# Altium PCB board.PcbDoc (part 2 of 2)
Units mil, origin at the board's own origin, x right, y up, seen from the top; angles counter-clockwise.
Board outline 1425.03 x 7725.03 mil, 2 copper layers (Top Layer, Bottom Layer), stack 65.354 mil thick; 141 components, 67 nets, 462 pads, 171 vias.
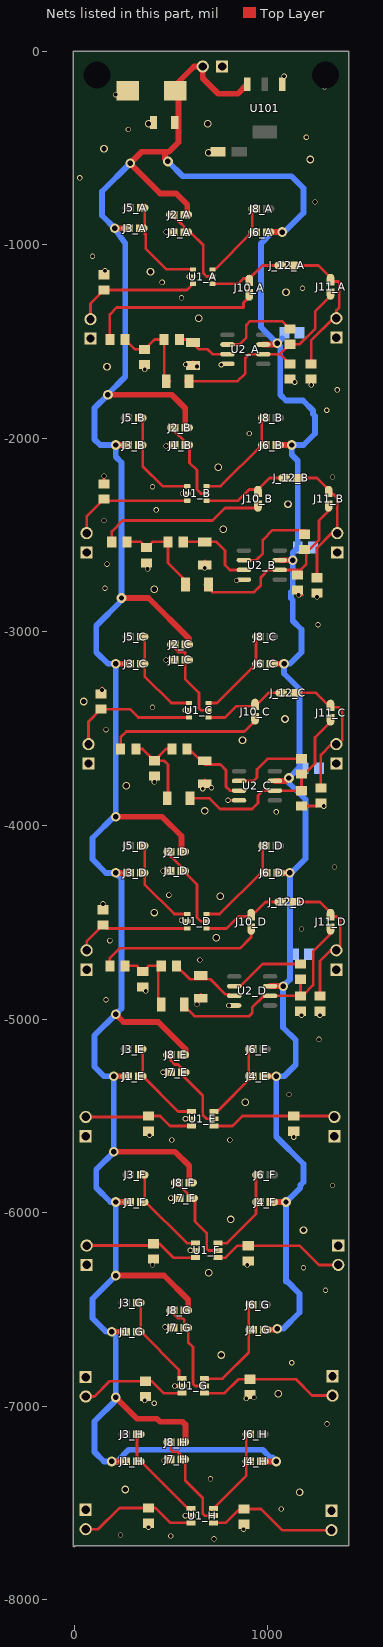
[diagram p2: the nets of this part, all layers, seen from the top]

## Via types
v1: diameter 27.56, hole 19.68, Top Layer to Bottom Layer, 95 vias
v2: diameter 50, hole 28, Top Layer to Bottom Layer, 47 vias
v3: diameter 39.37, hole 27.56, Top Layer to Bottom Layer, 29 vias

## Nets (pads, with @x,y where several pads share a name; then routed paths per layer and width w, separated by ;. In a path a pad name is that pad's centre, name@x,y a point inside that pad or via, vN(x,y) a via of type N, cw(c..) or ccw(c..) an arc to the next point about the centre after c; other vN are vias at no path point) (continued)
+5V: C3_A.2 C3_B.2 C3_C.2 C3_D.2 C100.1 C101.2 J1_E.2 J1_F.2 J1_G.2 J1_H.2 J2_A.1 J2_B.1 J2_C.1 J2_D.1 J3_A.2 J3_B.2 J3_C.2 J3_D.2 J4_E.2 J4_F.2 J4_G.2 J4_H.2 J6_A.2 J6_B.2 J6_C.2 J6_D.2 J8_E.1 J8_F.1 J8_G.1 J8_H.1 J100.2 U2_A.7 U2_B.7 U2_C.7 U2_D.7 U101.3 | length 22565.3
  Top Layer w30: v2(175,-1775.02) 505,-1775.02 574.37,-1844.39 J2_B.1@574.37,-1945.02 ; v2(195,-7285.02) J1_H.2@250,-7285.02 J1_H.2@270,-7285.02 ; v2(195,-6615.02) J1_G.2@250,-6615.02 ; v2(205,-5685.02) 521.93,-5685.02 595,-5758.09 J8_F.1@595,-5845.02 ; v2(205,-5295.02) J1_E.2@260,-5295.02 J1_E.2@280,-5295.02 ; v2(210,-915.02) J3_A.2@265,-915.02 ; v2(215,-6954.39) 325.63,-7065.02 428.55,-7065.02 443.55,-7080.02 560,-7080.02 575,-7095.02 J8_H.1@575,-7185.02 ; v2(215,-6325.02) 465,-6325.02 590,-6450.02 J8_G.1@590,-6505.02 ; v2(215,-5945.02) J1_F.2@270,-5945.02 J1_F.2@290,-5945.02 ; v2(215,-4975.02) 254.99,-5015 435,-5015 575,-5155 J8_E.1@575,-5185.02 ; v2(215,-4245.02) J3_D.2@270,-4245.02 ; v2(215,-3955.02) 455,-3955.02 555,-4055.02 J2_D.1@555,-4135.02 ; v2(215,-3165.02) J3_C.2@270,-3165.02 J3_C.2@290,-3165.02 ; v2(215,-2035.02) J3_B.2@260,-2035.02 ; v2(245,-2825.02) 384.45,-2825.02 595,-3035.57 J2_C.1@595,-3065.02 ; v2(485,-570.02) 470,-555.02 470,-520.02 ; J2_A.1@585,-845.02 585,-793.09 526.93,-735.02 443.82,-735.02 290,-581.2 v2(290,-580.02) 350,-520.02 470,-520.02 ; U101.3@894.45,-171.98 846.42,-220.02 745,-220.02 665,-140.02 J100.2@665,-80.02 620,-80.02 485,-215.02 540,-215.02 540,-470.64 490.63,-520.02 470,-520.02 ; U2_A.7@977.52,-1515.64 1044.37,-1515.64 v2(1050,-1510.02) ; J4_G.2@980,-6605.02 J4_G.2@1000,-6605.02 1045,-6605.02 v2(1050,-6600.02) ; J4_H.2@985,-7285.02 v2(1045,-7285.02) ; J6_A.2@995,-935.02 J6_A.2@1015,-935.02 v2(1075,-935.02) ; J4_E.2@997.52,-5295.02 v2(1045,-5295.02) ; U2_D.7@1012.52,-4830.02 v2(1080,-4830.02) ; J6_C.2@1015,-3165.02 J6_C.2@1035,-3165.02 v2(1085,-3165.02) ; J4_F.2@1035,-5945.02 v2(1095,-5945.02) ; U2_C.7@1037.52,-3770.02 1095,-3770.02 v2(1110,-3755.02) ; U2_B.7@1062.52,-2630.02 v2(1130,-2630.02) ; J6_B.2@1065,-2035.02 v2(1125,-2035.02) ; J6_D.2@1070,-4245.02 v2(1115,-4245.02)
  Bottom Layer w30: v2@173.48,-1773.5 265,-1681.98 265,-995.02 v2(210,-915.02) 145,-850.02 145,-725.02 v2(290,-580.02) ; v2(175,-1775.02) 105,-1845.02 105,-2005.02 135,-2035.02 v2(215,-2035.02) 215,-2095.02 245,-2125.02 v2(245,-2825.02) 245,-2838.45 115,-2968.45 115,-3105.02 175,-3165.02 v2(215,-3165.02) v2@215,-3945.02 ; v2@210,-3950.02 95,-4065.02 95,-4175.02 165,-4245.02 v2(215,-4245.02) 245,-4275.02 245,-4945.02 v2(215,-4975.02) 105,-5085.02 105,-5245.02 155,-5295.02 v2(205,-5295.02) v2(205,-5685.02) 205,-5687.74 115,-5777.74 115,-5871.58 188.43,-5945.02 v2(215,-5945.02) v2(215,-6325.02) 95,-6445.02 95,-6545.02 165,-6615.02 v2(195,-6615.02) 215,-6635.02 v2(215,-6954.39) 215,-6968.45 105,-7078.45 105,-7235.02 155,-7285.02 v2(195,-7285.02) 221.57,-7285.02 281.57,-7225.02 975,-7225.02 985,-7235.02 985,-7235.73 1014.29,-7265.02 1025,-7265.02 v2(1045,-7285.02) ; v2(485,-570.02) 561.72,-646.73 1123.28,-646.73 1185,-708.45 1185,-835.73 1085.71,-935.02 v2(1075,-935.02) 1025,-935.02 965,-995.02 965,-1425.02 v2(1050,-1510.02) ; v2(1050,-6600.02) 1080.71,-6600.02 1165,-6515.73 1165,-6418.45 1101.57,-6355.02 1095,-6355.02 v2(1095,-5945.02) 1115,-5925.02 1115.71,-5925.02 1168.64,-5872.09 1168.64,-5858.65 1185,-5842.29 1185,-5748.45 1045,-5608.45 v2(1045,-5295.02) 1085.63,-5295.02 1145,-5235.64 1145,-5108.45 1080,-5043.45 v2(1080,-4830.02) 1115,-4795.02 v2(1115,-4245.02) 1121.57,-4245.02 1195,-4171.58 1195,-3865.64 1110,-3780.64 v2(1110,-3755.02) 1160,-3705.02 1165,-3705.02 1165,-3295.02 1085,-3215.02 v2(1085,-3165.02) 1115,-3165.02 1175,-3105.02 1175,-2987.74 1130,-2942.74 1130,-2834.86 1121.22,-2826.08 1121.22,-2793.95 1130,-2785.17 1130,-2590.64 C3_B.2@1155.63,-2565.02 1155.63,-2115.64 1125,-2085.02 v2(1125,-2035.02) 1185,-2035.02 1245,-1975.02 1245,-1885.02 1235,-1875.02 1235,-1857.74 1182.28,-1805.02 1095,-1805.02 1065,-1775.02 1065,-1525.02 v2(1050,-1510.02) ; C3_A.2@1075,-1485.02 v2(1050,-1510.02)
GND: C2_A.1 C2_B.1 C2_C.1 C2_D.1 C3_A.1 C3_B.1 C3_C.1 C3_D.1 C100.2 C101.1 C104.2 J1_A.2 J1_B.2 J1_C.2 J1_D.2 J7_E.2 J7_F.2 J7_G.2 J7_H.2 J100.1 J_A1.1 J_A2.1 J_A3.1 J_A4.1 J_A5.1 J_A6.1 J_A7.1 J_A8.1 J_B1.1 J_B2.1 J_B3.1 J_B4.1 J_B5.1 J_B6.1 J_B7.1 J_B8.1 pad.0 R1_A.1 R1_B.1 R1_C.1 R1_D.1 R1_E.1 R1_F.1 R1_G.1 R1_H.1 R2_A.1 R2_B.1 R2_C.1 R2_D.1 R2_E.1 R2_F.1 R2_G.1 R2_H.1 R6_A.2 R6_B.2 R6_C.2 R6_D.2 R7_A.2 R7_B.2 R7_C.2 R7_D.2 U1_A.2 U1_B.2 U1_C.2 U1_D.2 U1_E.2 U1_F.2 U1_G.2 U1_H.2 U2_A.4 U2_B.4 U2_C.4 U2_D.4 U101.1 | length 1575.5
  Top Layer w14: v1(145,-3300.02) v1@145,-3290.02 ; R1_D.1@150,-4435.64 v1(150,-4405.02) ; R1_B.1@155,-2235.64 v1(155,-2195.02) ; R7_D.2@355,-4833.76 375,-4853.76 373.74,-4855.02 v1(370,-4855.02) ; v1(365,-6969.7) 365,-6964.39 360,-6959.39 R1_G.1@370,-6949.39 ; v1(365,-1645.02) 365,-1630.64 370.63,-1625.02 R7_A.2@365,-1619.39 ; R7_B.2@375,-2643.76 385,-2653.76 380,-2658.76 v1(380,-2675.02) ; v1(385,-7625.02) R1_H.1@385,-7604.39 ; R1_E.1@385,-5579.39 390,-5584.39 v1(390,-5600.02) ; v1(405,-6270.02) 405,-6244.39 R1_F.1@410,-6239.39 ; v1(415,-3775.02) R7_C.2@415,-3744.39 ; v1(460,-5275.02) J7_E.2@481.93,-5275.02 J7_E.2@501.93,-5275.02 ; v1(460,-4235.02) J1_D.2@480,-4235.02 J1_D.2@500,-4235.02 ; v1(465,-7280.02) 475,-7280.02 485,-7290.02 J7_H.2@500,-7275.02 ; v1(470,-6590.02) 490,-6590.02 J7_G.2@495,-6595.02 ; v1(475,-3145.02) J1_C.2@500,-3145.02 ; v1(475,-2040.02) 495,-2040.02 J1_B.2@500,-2035.02 J1_B.2@520,-2035.02 ; v1(475,-935.02) J1_A.2@495,-935.02 ; v1(500,-5925.02) J7_F.2@525,-5925.02 J7_F.2@545,-5925.02 ; v1(520,-6895.02) U1_G.2@556.93,-6895.02 ; v1(555,-4490.02) 578.54,-4490.02 584.17,-4495.64 U1_D.2@584.8,-4495.02 ; v1(560,-2285.02) U1_B.2@584.8,-2285.02 ; v1(575,-7565.02) U1_H.2@605,-7565.02 ; v1(575,-5515.02) U1_E.2@606.93,-5515.02 ; v1(575,-3405.02) U1_C.2@594.8,-3405.02 ; v1(595,-1165.02) U1_A.2@614.8,-1165.02 ; v1(600,-6195.02) U1_F.2@626.93,-6195.02 ; C2_A.1@615,-1604.39 635,-1624.39 v1(635,-1630.02) ; v1(635,-4925) 660,-4900.02 655,-4900.02 C2_D.1@655,-4873.13 ; v1(665,-3810) 665,-3804.39 650,-3789.39 C2_C.1@675,-3764.39 ; v1(675,-2670.02) C2_B.1@675,-2634.39 ; U2_A.4@760,-1621.9 v1(760,-1620.02) ; v1(795,-3870.02) U2_C.4@852.48,-3870.02 ; v1(800,-4930.02) 817.48,-4930.02 822.48,-4935.02 U2_D.4@827.48,-4930.02 ; v1(840,-2735.02) 872.48,-2735.02 U2_B.4@877.48,-2730.02 ; v1(875,-7635.02) 875,-7611.87 R2_H.1@877.48,-7609.39 ; v1(889.37,-6960.02) R2_G.1@910,-6939.39 ; v1(895,-6270.02) 895,-6254.39 R2_F.1@900,-6249.39 ; R6_A.2@1115,-1694.39 1134.37,-1694.39 1140,-1700.02 v1(1140,-1710.02) ; v1(1135,-5610.02) R2_E.1@1135,-5579.39 ; R6_B.2@1155,-2784.39 1180.63,-2810.02 v1(1160,-2810.02) ; R6_D.2@1170,-4959.39 1175,-4964.39 v1(1175,-4980.02) ; R6_C.2@1175,-3899.39 1260,-3899.39 R2_C.1@1275,-3884.39 ; v1(1225,-1725.02) R2_A.1@1225,-1694.39 ; v1(1255,-2819.39) 1265,-2809.39 R2_B.1@1255,-2799.39 ; v1(1270,-4980.02) 1270,-4969.39 1275,-4964.39 R2_D.1@1270,-4959.39
  other v1: 723.07,-7685.02 500,-7670.02 240,-7665.02 1070,-7530.64 705,-7375.02 1307,-7091.02 414.45,-6985.02 930,-6955.02 1125,-6775.02 1299,-6401.02 1185,-6285.02 1335,-5860.02 505,-5625.02 805,-5625.02 1110,-5390.02 1265,-5105.02 165,-4900.02 650,-4695.02 185,-4595.02 1175,-4535.02 490,-4360.02 1345,-4215.02 1045,-3930.02 1290,-3900.02 710,-3805.64 165,-3505.02 405,-3390.02 1259.84,-2963.36 160,-2775.02 170,-2650.02 155,-2425.02 425,-2370.02 405,-2250.02 1335,-2200.02 905,-1975.02 1305,-1855.02 1360,-1750.02 576.93,-1619.39 555,-1275.02 1180,-1225.02 455,-1195.02 160,-1135.02 95,-1060.02 1245,-780.02 30,-655.02 1200,-445.02 280.55,-405.02 215,-225.02 1295,-185.02 1085,-130.02
  other v3: 1165,-7445.02 265,-7430.02 1055,-6935.02 760,-6735.02 695.2,-6310 1185,-6090.02 810,-6035.02 885,-5430.02 735,-4580.02 415,-4450.02 755,-4365.02 675,-3925 270,-3795.02 870,-3560.02 1090,-3450.02 50,-3360.02 415,-2780.02 770,-2470.02 1105,-2340.02 745,-2150.02 170,-1630.02 645,-1380.02 1095,-1245.02 395,-1140.02 1220,-560.02 695,-525.02 155,-505.02 385,-375.02 690,-375.02
NetC1_A_1: C1_A.1 R3_A.1 R4_A.2 R7_A.1 | length 471.3
  Top Layer w14: R3_A.1@263.74,-1490.02 314.37,-1540.64 R7_A.1@365,-1540.64 415.63,-1490.02 R4_A.2@465.63,-1490.02 465.63,-1675.02 C1_A.1@495.63,-1705.02
NetC1_A_2: C1_A.2 J11_A.1 R5_A.2 R6_A.1 U2_A.6 | length 1104.1
  Top Layer w14: C1_A.2@574.37,-1705.02 845,-1705.02 885,-1665.02 885,-1585.64 905,-1565.64 U2_A.6@977.52,-1565.64 1063.74,-1565.64 ; R6_A.1@1115,-1615.64 1065,-1565.64 1063.74,-1565.64 ; J11_A.1@1325,-1265.02 1245.31,-1344.7 1245.31,-1434.7 1165.63,-1514.39 R5_A.2@1115,-1514.39 1063.74,-1565.64
NetC1_B_1: C1_B.1 R3_B.1 R4_B.2 R7_B.1 | length 502.8
  Top Layer w14: R3_B.1@273.74,-2535.02 345,-2535.02 R7_B.1@375,-2565.02 405,-2535.02 R4_B.2@485.63,-2535.02 485,-2535.64 485,-2644.39 C1_B.1@595.63,-2755.02
NetC1_B_2: C1_B.2 J11_B.1 R5_B.2 R6_B.1 U2_B.6 | length 969.9
  Top Layer w14: C1_B.2@674.37,-2755.02 714.37,-2795.02 930,-2795.02 964.37,-2760.64 964.37,-2718.16 1002.52,-2680.02 U2_B.6@1062.52,-2680.02 1168.74,-2680.02 1200,-2648.76 1200,-2580.02 1210,-2580.02 1265,-2525.02 1265,-2425.02 1315,-2375.02 J11_B.1@1315,-2360.02
NetC1_C_1: C1_C.1 R3_C.1 R4_C.2 R7_C.1 | length 454.8
  Top Layer w14: R3_C.1@319.37,-3605.02 354.37,-3605.02 R7_C.1@415,-3665.64 ; C1_C.1@485.63,-3825.02 485.63,-3685.64 465.63,-3665.64 R7_C.1@415,-3665.64 ; R4_C.2@505.63,-3605.02 475.63,-3605.02 R7_C.1@415,-3665.64
NetC1_C_2: C1_C.2 J11_C.1 R5_C.2 R6_C.1 U2_C.6 | length 1088.7
  Top Layer w14: C1_C.2@599.06,-3860 699.99,-3860 755,-3915.02 920,-3915.02 950,-3885.02 950,-3845.02 975,-3820.02 U2_C.6@1037.52,-3820.02 1174.37,-3820.02 R6_C.1@1175,-3820.64 R5_C.2@1175,-3734.39 1190.63,-3734.39 1245,-3680.02 1245,-3545.02 J11_C.1@1325,-3465.02
NetC1_D_1: C1_D.1 R3_D.1 R4_D.2 R7_D.1 | length 424.8
  Top Layer w14: R3_D.1@263.74,-4725.02 325,-4725.02 R7_D.1@355,-4755.02 385,-4725.02 R4_D.2@450.63,-4725.02 435,-4740.64 435,-4909.06 C1_D.1@450.94,-4925
NetC1_D_2: C1_D.2 J11_D.1 R5_D.2 R6_D.1 U2_D.6 | length 1185.3
  Top Layer w14: C1_D.2@561.3,-4925.02 621.3,-4985.02 905,-4985.02 920,-4970.02 920,-4940.02 980,-4880.02 U2_D.6@1012.52,-4880.02 R6_D.1@1170,-4880.02 ; R5_D.2@1170,-4794.39 R6_D.1@1170,-4880.02 ; J11_D.1@1325,-4545.02 1325,-4560.02 1235,-4650.02 1235,-4825.02 1180,-4880.02 R6_D.1@1170,-4880.02
NetC2_A_2: C2_A.2 R4_A.1 U2_A.3 | length 279.4
  Top Layer w14: R4_A.1@544.37,-1490.02 594.37,-1490.02 645,-1540.64 690.63,-1540.64 715.63,-1565.64 U2_A.3@792.48,-1565.64
NetC2_B_2: C2_B.2 R4_B.1 U2_B.3 | length 417.1
  Top Layer w14: R4_B.1@564.37,-2535.02 735,-2535.02 780,-2580.02 780,-2655.02 805,-2680.02 U2_B.3@877.48,-2680.02
NetC2_C_2: C2_C.2 R4_C.1 U2_C.3 | length 407
  Top Layer w14: R4_C.1@584.37,-3605.02 594.37,-3605.02 675,-3685.64 755.63,-3685.64 785,-3715.02 785,-3800.02 805,-3820.02 U2_C.3@852.48,-3820.02
NetC2_D_2: C2_D.2 R4_D.1 U2_D.3 | length 334.2
  Top Layer w14: R4_D.1@529.37,-4725.02 598.74,-4794.39 704.37,-4794.39 782.5,-4872.52 U2_D.3@802.5,-4872.52
NetJ1_A_1: J1_A.1 J2_A.2 U1_A.5 | length 416.3
  Top Layer w14: J2_A.2@515,-845.02 515,-853.43 543.27,-881.7 543.61,-881.7 570,-908.09 J1_A.1@570,-935.02 ; J1_A.1@600,-935.02 667.5,-1002.52 667.5,-1147.52 685,-1165.02 U1_A.5@715.2,-1165.02 U1_A.5@723.07,-1165.02
NetJ1_B_1: J1_B.1 J2_B.2 U1_B.5 | length 425.2
  Top Layer w14: J2_B.2@519.37,-1945.02 519.37,-1964.39 575,-2020.02 J1_B.1@575,-2035.02 ; J1_B.1@596.93,-2035.02 596.93,-2126.94 635,-2165.02 635,-2265.02 655,-2285.02 U1_B.5@685.2,-2285.02 U1_B.5@693.07,-2285.02
NetJ1_C_1: J1_C.1 J2_C.2 U1_C.5 | length 462
  Top Layer w14: J2_C.2@500,-3065.02 540,-3105.02 570,-3105.02 575,-3110.02 J1_C.1@575,-3145.02 575,-3245.02 645,-3315.02 645,-3395.02 655,-3405.02 U1_C.5@695.2,-3405.02
NetJ1_D_1: J1_D.1 J2_D.2 U1_D.5 | length 451.5
  Top Layer w14: J2_D.2@500,-4135.02 500,-4160.02 J1_D.1@575,-4235.02 ; J1_D.1@570,-4240.02 635,-4305.02 635,-4475.02 655,-4495.02 U1_D.5@685.2,-4495.02
NetJ1_E_1: J1_E.1 J3_E.1 U1_E.1 | length 475.4
  Top Layer w14: J3_E.1@355,-5155.02 J1_E.1@355,-5295.02 537.6,-5477.61 U1_E.1@606.93,-5477.61 U1_E.1@614.8,-5477.61
NetJ1_F_1: J1_F.1 J3_F.1 U1_F.1 | length 494.9
  Top Layer w14: J3_F.1@365,-5805.02 365,-5940.02 582.6,-6157.61 U1_F.1@626.93,-6157.61 U1_F.1@634.8,-6157.61
NetJ1_G_1: J1_G.1 J3_G.1 U1_G.1 | length 505.6
  Top Layer w14: J3_G.1@325,-6465.02 J3_G.1@345,-6465.02 J1_G.1@345,-6615.02 542.23,-6812.24 542.23,-6851.82 548.02,-6857.61 U1_G.1@556.93,-6857.61
NetJ1_H_1: J1_H.1 J3_H.1 U1_H.1 | length 500.5
  Top Layer w14: J1_H.1@325,-7285.02 J3_H.1@325,-7145.02 ; J1_H.1@345,-7285.02 587.6,-7527.61 U1_H.1@605,-7527.61
NetJ3_A_1: J3_A.1 J5_A.1 U1_A.1 | length 506.5
  Top Layer w14: 365,-945.02 J5_A.1@365,-810.02 J5_A.1@365,-795.02 ; 370,-945.02 370,-1020.02 477.6,-1127.61 U1_A.1@606.93,-1127.61
NetJ3_B_1: J3_B.1 J5_B.1 U1_B.1 | length 514.4
  Top Layer w14: J5_B.1@355,-1895.02 J3_B.1@355,-2035.02 355,-2145.02 457.6,-2247.61 U1_B.1@576.93,-2247.61
NetJ3_C_1: J3_C.1 J5_C.1 U1_C.1 | length 491.8
  Top Layer w14: J5_C.1@365,-3025.02 J3_C.1@365,-3165.02 365,-3230.02 502.6,-3367.61 U1_C.1@594.8,-3367.61
NetJ3_D_1: J3_D.1 J5_D.1 U1_D.1 | length 482.6
  Top Layer w14: J5_D.1@365,-4105.02 J3_D.1@365,-4245.02 365,-4304.39 518.23,-4457.61 U1_D.1@584.8,-4457.61
NetJ4_E_1: J4_E.1 J6_E.1 U1_E.6 | length 431.2
  Top Layer w14: U1_E.6@715.2,-5477.61 U1_E.6@723.07,-5477.61 739.92,-5477.61 J4_E.1@922.52,-5295.02 902.52,-5275.02 J6_E.1@902.52,-5155.02
NetJ4_F_1: J4_F.1 J6_F.1 U1_F.6 | length 469.5
  Top Layer w14: U1_F.6@735.2,-6157.61 U1_F.6@743.07,-6157.61 789.88,-6157.61 940,-6007.5 J4_F.1@940,-5945.02 J6_F.1@940,-5805.02
NetJ4_G_1: J4_G.1 J6_G.1 U1_G.6 | length 532.9
  Top Layer w14: U1_G.6@673.07,-6857.61 767.4,-6857.61 902.52,-6722.5 J6_G.1@902.52,-6475.02
NetJ4_H_1: J4_H.1 J6_H.1 U1_H.6 | length 460.8
  Top Layer w14: U1_H.6@721.14,-7527.61 890,-7358.76 J4_H.1@890,-7285.02 ; J6_H.1@890,-7145.02 890,-7265.02 J4_H.1@910,-7285.02
NetJ6_A_1: J6_A.1 J8_A.1 U1_A.6 | length 405
  Top Layer w14: U1_A.6@723.07,-1127.61 727.4,-1127.61 J6_A.1@920,-935.02 ; J8_A.1@920,-815.02 920,-915.02 J6_A.1@940,-935.02
NetJ6_B_1: J6_B.1 J8_B.1 U1_B.6 | length 505
  Top Layer w14: U1_B.6@693.07,-2247.61 757.4,-2247.61 J6_B.1@970,-2035.02 J8_B.1@970,-1895.02
NetJ6_C_1: J6_C.1 J8_C.1 U1_C.6 | length 488.7
  Top Layer w14: U1_C.6@695.2,-3367.61 737.4,-3367.61 J6_C.1@940,-3165.02 J8_C.1@940,-3025.02 J8_C.1@960,-3025.02
NetJ6_D_1: J6_D.1 J8_D.1 U1_D.6 | length 519.9
  Top Layer w14: U1_D.6@685.2,-4457.61 752.4,-4457.61 965,-4245.02 J6_D.1@975,-4245.02 975,-4110.02 J8_D.1@970,-4105.02
NetJ7_E_1: J7_E.1 J8_E.2 U1_E.5 | length 446.2
  Top Layer w14: J8_E.2@500,-5185.02 500,-5215.02 520,-5235.02 536.93,-5235.02 J7_E.1@576.93,-5275.02 ; J7_E.1@555,-5285.02 665,-5395.02 665,-5495.64 684.37,-5515.02 U1_E.5@715.2,-5515.02
NetJ7_F_1: J7_F.1 J8_F.2 U1_F.5 | length 448.1
  Top Layer w14: J8_F.2@540,-5845.02 540,-5855.02 610,-5925.02 J7_F.1@620,-5925.02 ; J7_F.1@625,-5935.02 625,-6044.82 685,-6104.82 685,-6184.82 695.2,-6195.02 U1_F.5@735.2,-6195.02
NetJ7_G_1: J7_G.1 J8_G.2 U1_G.5 | length 500.3
  Top Layer w14: J8_G.2@495,-6505.02 535,-6545.02 561.3,-6545.02 570,-6553.72 J7_G.1@570,-6595.02 ; J7_G.1@590,-6593.72 J7_G.1@590,-6595.02 590,-6670.02 615,-6695.02 615,-6885.02 625,-6895.02 U1_G.5@673.07,-6895.02
NetJ7_H_1: J7_H.1 J8_H.2 U1_H.5 | length 512.1
  Top Layer w14: J8_H.2@500,-7185.02 500,-7223.09 511.93,-7235.02 535,-7235.02 J7_H.1@575,-7275.02 575,-7385.02 665,-7475.02 665,-7555.02 675,-7565.02 U1_H.5@721.14,-7565.02
NetJ10_A_1: J10_A.1 R3_A.2 | length 911.9
  Top Layer w14: R3_A.2@185,-1500.02 R3_A.2@185,-1490.02 185,-1360.02 220,-1325.02 875,-1325.02 875,-1300.02 J10_A.1@905,-1270.02
NetJ10_A_2: J10_A.2 J_12_A.2 U1_A.4 | length 371.2
  Top Layer w14: U1_A.4@723.07,-1202.42 847.6,-1202.42 874.8,-1175.21 904.8,-1175.21 J10_A.2@905,-1175.02 972.4,-1107.61 J_12_A.2@1055,-1107.61
NetJ10_B_1: J10_B.1 R3_B.2 | length 859
  Top Layer w14: R3_B.2@195,-2535.02 195,-2481.27 251.26,-2425.02 715,-2425.02 780,-2360.02 J10_B.1@950,-2360.02
NetJ10_B_2: J10_B.2 J_12_B.2 U1_B.4 | length 430.6
  Top Layer w14: U1_B.4@693.07,-2322.42 847.6,-2322.42 905,-2265.02 J10_B.2@950,-2265.02 1010,-2205.02 J_12_B.2@1075,-2205.02
NetJ10_C_1: J10_C.1 R3_C.2 | length 789.9
  Top Layer w14: R3_C.2@240.63,-3605.02 240.63,-3544.39 270,-3515.02 880,-3515.02 J10_C.1@935,-3460.02
NetJ10_C_2: J10_C.2 J_12_C.2 U1_C.4 | length 437.6
  Top Layer w14: U1_C.4@695.2,-3442.42 779.88,-3442.42 837.28,-3385.02 J10_C.2@935,-3385.02 1005,-3315.02 J_12_C.2@1060,-3315.02 J_12_C.2@1080,-3315.02
NetJ10_D_1: J10_D.1 R3_D.2 | length 867
  Top Layer w14: R3_D.2@185,-4725.02 185,-4685.02 235,-4635.02 857.48,-4635.02 915,-4577.5 J10_D.1@915,-4545.02 J10_D.1@915,-4525.02
NetJ10_D_2: J10_D.2 J_12_D.2 U1_D.4 | length 426.7
  Top Layer w14: U1_D.4@685.2,-4532.42 787.6,-4532.42 850,-4470.02 J10_D.2@915,-4470.02 990,-4395.02 J_12_D.2@1055,-4395.02
NetJ11_A_2: J11_A.2 J_12_A.1 J_B1.2 R2_A.2 | length 757.4
  Top Layer w14: J_12_A.1@1150,-1107.61 1262.6,-1107.61 J11_A.2@1325,-1170.02 J11_A.2@1325,-1190.02 1365,-1190.02 1370,-1195.02 1370,-1325.02 1355,-1340.02 J_B1.2@1355,-1380.02 1340,-1380.02 1225,-1495.02 R2_A.2@1225,-1615.64
NetJ11_B_2: J11_B.2 J_12_B.1 J_B2.2 R2_B.2 | length 704.5
  Top Layer w14: J_12_B.1@1170,-2205.02 1255,-2205.02 J11_B.2@1315,-2265.02 1360,-2310.02 J_B2.2@1360,-2490.02 1331.11,-2490.02 1255,-2566.13 R2_B.2@1255,-2720.64
NetJ11_C_2: J11_C.2 J_12_C.1 J_B3.2 R2_C.2 | length 731
  Top Layer w14: J_12_C.1@1155,-3315.02 1250,-3315.02 J11_C.2@1325,-3390.02 1365.63,-3390.02 1385,-3409.39 1385,-3559.39 1364.37,-3580.02 J_B3.2@1355,-3580.02 1330,-3580.02 1275,-3635.02 R2_C.2@1275,-3805.64
NetJ11_D_2: J11_D.2 J_12_D.1 J_B4.2 R2_D.2 | length 712.1
  Top Layer w14: J_12_D.1@1150,-4395.02 1270,-4395.02 J11_D.2@1325,-4450.02 ; R2_D.2@1270,-4880.64 1270,-4700.02 1325,-4645.02 J_B4.2@1355,-4645.02 1375,-4625.02 1375,-4485.64 1372.81,-4487.83 1355,-4470.02 J11_D.2@1325,-4470.02
NetJ_A1_2: J_A1.2 R1_A.2 U1_A.3 | length 652.7
  Top Layer w14: J_A1.2@85,-1385.02 85,-1304.39 R1_A.2@155,-1234.39 582.83,-1234.39 U1_A.3@614.8,-1202.42
NetJ_A2_2: J_A2.2 R1_B.2 U1_B.3 | length 646
  Top Layer w14: J_A2.2@65,-2490.02 65,-2404.39 R1_B.2@155,-2314.39 163.03,-2322.42 U1_B.3@584.8,-2322.42
NetJ_A3_2: J_A3.2 R1_C.2 U1_C.3 | length 680.2
  Top Layer w14: J_A3.2@75,-3580.02 75,-3464.39 R1_C.2@140,-3399.39 289.37,-3399.39 332.4,-3442.42 U1_C.3@594.8,-3442.42
NetJ_A4_2: J_A4.2 R1_D.2 U1_D.3 | length 608.1
  Top Layer w14: J_A4.2@65,-4645.02 65,-4599.39 R1_D.2@150,-4514.39 168.03,-4532.42 U1_D.3@584.8,-4532.42
NetJ_A5_2: J_A5.2 R1_E.2 U1_E.3 | length 570.4
  Top Layer w14: J_A5.2@60,-5505.64 380,-5505.64 R1_E.2@385,-5500.64 445,-5500.64 496.77,-5552.42 U1_E.3@606.93,-5552.42
NetJ_A6_2: J_A6.2 R1_F.2 U1_F.3 | length 595.5
  Top Layer w14: J_A6.2@65,-6170.02 400.63,-6170.02 R1_F.2@410,-6160.64 440.63,-6160.64 512.4,-6232.42 U1_F.3@626.93,-6232.42
NetJ_A7_2: J_A7.2 R1_G.2 U1_G.3 | length 555.1
  Top Layer w14: J_A7.2@60,-6949.39 105.63,-6949.39 184.37,-6870.64 R1_G.2@370,-6870.64 401.26,-6870.64 463.03,-6932.42 U1_G.3@556.93,-6932.42
NetJ_A8_2: J_A8.2 R1_H.2 U1_H.3 | length 627.1
  Top Layer w14: J_A8.2@55,-7635.02 J_A8.2@60,-7635.02 125,-7635.02 234.37,-7525.64 R1_H.2@385,-7525.64 420.63,-7525.64 497.4,-7602.42 U1_H.3@605,-7602.42
NetJ_B5_2: J_B5.2 R2_E.2 U1_E.4 | length 645.4
  Top Layer w14: U1_E.4@723.07,-5552.42 817.6,-5552.42 869.37,-5500.64 R2_E.2@1135,-5500.64 1340,-5500.64 J_B5.2@1345,-5505.64
NetJ_B6_2: J_B6.2 R2_F.2 U1_F.4 | length 688.7
  Top Layer w14: U1_F.4@743.07,-6232.42 782.6,-6232.42 844.37,-6170.64 R2_F.2@900,-6170.64 1165.63,-6170.64 1265,-6270.02 J_B6.2@1365,-6270.02
NetJ_B7_2: J_B7.2 R2_G.2 U1_G.4 | length 726.6
  Top Layer w14: U1_G.4@673.07,-6932.42 778.23,-6932.42 850,-6860.64 R2_G.2@910,-6860.64 1145.63,-6860.64 1230,-6945.02 J_B7.2@1335,-6945.02
NetJ_B8_2: J_B8.2 R2_H.2 U1_H.4 | length 683.9
  Top Layer w14: U1_H.4@721.14,-7602.42 782.6,-7602.42 854.37,-7530.64 R2_H.2@877.48,-7530.64 965.63,-7530.64 1075,-7640.02 J_B8.2@1330,-7640.02
NetR5_A_1: R5_A.1 U2_A.2 | length 427.8
  Top Layer w14: U2_A.2@792.48,-1515.64 855,-1515.64 890,-1480.64 890,-1415.02 910,-1395.02 1074.37,-1395.02 R5_A.1@1115,-1435.64
NetR5_B_1: R5_B.1 U2_B.2 | length 422.7
  Top Layer w14: U2_B.2@877.48,-2630.02 940,-2630.02 975,-2595.02 975,-2525.02 1025,-2475.02 R5_B.1@1195,-2475.02
NetR5_C_1: R5_C.1 U2_C.2 | length 394.8
  Top Layer w14: U2_C.2@852.48,-3770.02 927.52,-3770.02 945,-3752.53 945,-3710.02 999.37,-3655.65 R5_C.1@1175,-3655.64
NetR5_D_1: R5_D.1 U2_D.2 | length 389.9
  Top Layer w14: U2_D.2@827.48,-4830.02 860,-4830.02 974.37,-4715.64 R5_D.1@1170,-4715.64
pads on no net: U2_A.1 U2_A.5 U2_A.8 U2_B.1 U2_B.5 U2_B.8 U2_C.1 U2_C.5 U2_C.8 U2_D.1 U2_D.5 U2_D.8

## Polygon pours and split planes (outlines as drawn)
GND on Bottom Layer "GND_L02_P001" (solid, remove dead copper, pour order 1): 0,-7985.02 0,-5.02 1417.32,-5.02 1417.32,-7985.02
GND on Top Layer "GND_L01_P000" (solid, remove dead copper, pour order 0): 0,-7985.02 0,-5.02 1417.32,-5.02 1417.32,-7985.02

## Silkscreen, mask and mechanical layers (free items; w line width, h text height)
Top Overlay:
  lines w19.68: 90,-7025.02 115,-7025.02 80,-7025.02 15,-7090.02 15,-7335.02 1397,-7335.02 1397,-7115.02 1311,-7029.02 ; 105,-7025.02 1313,-7025.02 ; 400.86,-7335.02 400.86,-7025.02 ; 410.86,-6655.02 410.86,-6345.02 ; 410.86,-5335.02 410.86,-5035.02 ; 410.86,-4280.02 410.86,-3970.02 ; 420.66,-2085.02 420.66,-1775.02 ; 420.66,-995.02 420.66,-685.02 ; 430.66,-3205.02 430.66,-2895.02 ; 440.86,-5985.02 440.86,-5675.02 ; 820.86,-7335.02 820.86,-7025.02 ; 830.86,-6655.02 830.86,-6345.02 ; 830.86,-5335.02 830.86,-5035.02 ; 840.66,-1775.02 840.66,-2400.02 1400.66,-2400.02 1400.66,-1880.68 1295,-1775.02 125,-1775.02 20.66,-1879.35 20.66,-2085.02 1400.66,-2085.02 ; 840.66,-685.02 840.66,-1305.02 1400.66,-1305.02 1400.66,-805.68 1280,-685.02 125,-685.02 20.66,-789.35 20.66,-995.02 1400.66,-995.02 ; 840.86,-3975.02 840.86,-4580.02 1400.86,-4580.02 1400.86,-4080.87 1295,-3975.02 120,-3975.02 15,-4080.02 15,-4285.02 1400.86,-4285.02 ; 850.66,-2895.02 850.66,-3510.02 1403,-3510.02 1403,-3003.02 1295,-2895.02 ; 860.86,-5985.02 860.86,-5675.02 ; 1300,-2895.02 120,-2895.02 15,-3000.02 15,-3205.02 1395,-3205.02 ; 10,-5985.02 1402,-5985.02 1402,-5757.02 1320,-5675.02 90,-5675.02 10,-5755.02 10,-5985.02 ; 10.86,-6655.02 10.86,-6414.16 80,-6345.02 1325,-6345.02 1400,-6420.02 1400,-6655.02 10.86,-6655.02 ; 10.86,-5335.02 10.86,-5114.16 85,-5040.02 1320,-5040.02 1400,-5120.02 1400,-5335.02 10.86,-5335.02
  text "+" at 610,-250.02 h78.74
  text "A Voltage" at 105,-755.02 h31.5
  text "B Voltage" at 875,-755.02 h31.5
  text "direction" at 515,-775.02 h31.5
  text "3.3V" at 50,-820.02 h31.5
  text "<----" at 792.48,-825.02 h31.5 r180
  text "3.3V" at 1235,-835.02 h31.5
  text "5V" at 60,-930.02 h31.5
  text "<----" at 645,-945.02 h31.5
  text "5V" at 1235,-955.02 h31.5
  text "analogue detour?" at 885,-1055.02 h31.5
  text "<----" at 1355,-1085.02 h31.5 r180
  text "no" at 1075,-1165.02 h31.5
  text "yes" at 970,-1270.02 h31.5 r90
  text "yes" at 1265,-1270.02 h31.5 r90
  text "A Voltage" at 105,-1845.02 h31.5
  text "B Voltage" at 875,-1845.02 h31.5
  text "direction" at 515,-1865.02 h31.5
  text "3.3V" at 55,-1905.02 h31.5
  text "<----" at 792.48,-1925.02 h31.5 r180
  text "3.3V" at 1235,-1925.02 h31.5
  text "4V" at 55.55,-1985.02 h31.5
  text "4V" at 1235,-1985.02 h31.5
  text "<----" at 645,-2045.02 h31.5
  text "5V" at 1235,-2045.02 h31.5
  text "5V" at 65,-2055.02 h31.5
  text "analogue detour?" at 885,-2145.02 h31.5
  text "no" at 1105,-2265.02 h31.5
  text "yes" at 1015,-2355.02 h31.5 r90
  text "yes" at 1265,-2355.02 h31.5 r90
  text "A Voltage" at 115,-2965.02 h31.5
  text "B Voltage" at 885,-2965.02 h31.5
  text "direction" at 525,-2985.02 h31.5
  text "3.3V" at 65,-3045.02 h31.5
  text "3.3V" at 1245,-3045.02 h31.5
  text "<----" at 805,-3055.02 h31.5 r180
  text "5V" at 65,-3165.02 h31.5
  text "<----" at 655,-3165.02 h31.5
  text "5V" at 1245,-3165.02 h31.5
  text "analogue detour?" at 895,-3265.02 h31.5
  text "no" at 1085,-3375.02 h31.5
  text "yes" at 995,-3455.02 h31.5 r90
  text "yes" at 1275,-3455.02 h31.5 r90
  text "A Voltage" at 105.2,-4045.02 h31.5
  text "B Voltage" at 875.2,-4045.02 h31.5
  text "direction" at 515.2,-4065.02 h31.5
  text "<----" at 795,-4115.02 h31.5 r180
  text "3.3V" at 55.2,-4125.02 h31.5
  text "3.3V" at 1205,-4125.02 h31.5
  text "5V" at 75,-4245.02 h31.5
  text "<----" at 645,-4245.02 h31.5
  text "5V" at 1235.2,-4245.02 h31.5
  text "analogue detour?" at 885.2,-4345.02 h31.5
  text "no" at 1075.2,-4455.02 h31.5
  text "yes" at 1275,-4553.76 h31.5 r90
  text "yes" at 975,-4555.02 h31.5 r90
  text "A Voltage" at 95.2,-5095.02 h31.5
  text "B Voltage" at 865.2,-5095.02 h31.5
  text "direction" at 505.2,-5115.02 h31.5
  text "<----" at 785,-5165.02 h31.5 r180
  text "3.3V" at 45.2,-5175.02 h31.5
  text "3.3V" at 1225.2,-5175.02 h31.5
  text "<----" at 635,-5285.02 h31.5
  text "5V" at 1225.2,-5295.02 h31.5
  text "5V" at 55,-5305.02 h31.5
  text "A Voltage" at 125.2,-5745.02 h31.5
  text "B Voltage" at 895.2,-5745.02 h31.5
  text "direction" at 535.2,-5765.02 h31.5
  text "3.3V" at 75.2,-5825.02 h31.5
  text "3.3V" at 1255.2,-5825.02 h31.5
  text "<----" at 815,-5835.02 h31.5 r180
  text "<----" at 665,-5945.02 h31.5
  text "5V" at 1255.2,-5945.02 h31.5
  text "5V" at 85,-5955.02 h31.5
  text "A Voltage" at 95.2,-6415.02 h31.5
  text "B Voltage" at 865.2,-6415.02 h31.5
  text "direction" at 505.2,-6435.02 h31.5
  text "<----" at 785,-6485.02 h31.5 r180
  text "3.3V" at 45.2,-6495.02 h31.5
  text "3.3V" at 1225.2,-6495.02 h31.5
  text "<----" at 635,-6610.02 h31.5
  text "5V" at 55,-6615.02 h31.5
  text "5V" at 1225.2,-6615.02 h31.5
  text "A Voltage" at 85.2,-7095.02 h31.5
  text "B Voltage" at 855.2,-7095.02 h31.5
  text "direction" at 495.2,-7115.02 h31.5
  text "<----" at 775,-7165.02 h31.5 r180
  text "3.3V" at 35.2,-7175.02 h31.5
  text "3.3V" at 1215.2,-7175.02 h31.5
  text "5V" at 45,-7295.02 h31.5
  text "<----" at 625,-7295.02 h31.5
  text "5V" at 1215.2,-7295.02 h31.5
M1_BoardOutline:
  lines w10: 0,-7720.02 0,-5.02 1415,-5.02 1415,-7715.02 0,-7715.02
M12_titleBlock:
  lines w5: -2856.5,-7889.52 -2856.5,-289.52 ; -2856.5,-5989.52 -2656.5,-5989.52 ; -2856.5,-4089.52 -2656.5,-4089.52 ; -2856.5,-2189.52 -2656.5,-2189.52 ; -2656.5,-7689.52 -2656.5,-489.52 ; 2893.5,-7889.52 2893.5,-7689.52 ; 3943.5,-7689.52 2543.5,-7689.52 2543.5,-6489.52 3943.5,-6489.52 ; 3972.5,-7389.52 8443.5,-7389.52 ; 3972.5,-7089.52 8443.5,-7089.52 ; 3972.5,-6789.52 5443.5,-6789.52 ; 5443.5,-7689.52 5443.5,-7089.52 5443.5,-6489.52 ; 5768.5,-7889.52 5768.5,-7689.52 ; 5768.5,-489.52 5768.5,-289.52 ; 7543.5,-7689.52 7543.5,-7089.52 ; 8443.5,-5989.52 8643.5,-5989.52 ; 8443.5,-4089.52 8643.5,-4089.52 ; 8443.5,-2189.52 8643.5,-2189.52 ; 8443.5,-489.52 8443.5,-7689.52 ; 8643.5,-7889.52 8643.5,-289.52 ; 5443.5,-6489.52 8443.5,-6489.52 8443.5,-7689.52 ; 5443.5,-6489.52 3972.5,-6489.52 3972.5,-7689.52 8443.5,-7689.52
  lines w10: 6585,-6465.02 6585,-565.02 ; 6585,-2912.95 8385,-2912.95 8385,-2812.95 8385,-2065.02 ; 6585,-2065.02 8385,-2065.02 ; 6585,-1865.02 8385,-1865.02 8385,-2065.02
  text "1" at -1429.5,-424.52 h70
  text "3" at 4310.5,-424.52 h70
  text "4" at 7180.5,-424.52 h70
  text "A" at -2781.5,-1330.52 h70
  text "A" at 8518.5,-1330.52 h70
  text "Abstand von Frontpanelkante" at 6685,-1565.02 h60
  text "links unten zum Nullpunkt:" at 6685,-1665.02 h60
  text "13,9mm" at 6685,-1765.02 h60
  text "Mechanical Layer Definitionen:" at 6685,-2012.95 h60
  text "M1_boardOutline" at 6685,-2165.02 h60
  text "M11_text_topL" at 6685,-2312.95 h60
  text "M12_titleBlock" at 6685,-2412.95 h60
  text "M13_3D_topL" at 6685,-2512.95 h60
  text "M14_3D_botL" at 6685,-2612.95 h60
  text "M15_courtyard_topL" at 6685,-2701.77 h60
  text "M16_courtyard_botL" at 6685,-2801.77 h60
  text "B" at -2781.5,-3222.52 h70
  text "B" at 8518.5,-3222.52 h70
  text "C" at -2781.5,-5132.52 h70
  text "C" at 8518.5,-5132.52 h70
  text "ENGINEER:" at 3993.5,-6589.52 h45
  text "TITLE:" at 5493.5,-6589.52 h45
  text "PCB DESIGNER:" at 3993.5,-6884.52 h45
  text "D" at -2781.5,-7022.52 h70
  text "D" at 8518.5,-7022.52 h70
  text "EMBL - European" at 2347.5,-7127.52 h70
  text "DATE:" at 3993.5,-7189.52 h45
  text "PART NO.:" at 5493.5,-7189.52 h45
  text "REV:" at 7593.5,-7189.52 h45
  text "Molecular Biology Laboratory" at 2597.5,-7227.52 h70
  text "Meyerhofstrasse 1" at 2597.5,-7302.52 h70
  text ".Print_Date" at 4043.5,-7309.52 h70
  text "69117 Heidelberg" at 2597.5,-7427.52 h70
  text "FILE NAME:" at 3993.5,-7489.52 h45
  text "DWG NO:" at 5493.5,-7489.52 h45
  text "SCALE:" at 7593.5,-7489.52 h45
  text "Germany" at 2597.5,-7540.02 h70
  text ".PCB_FILE_NAME_NO_PATH" at 4043.5,-7609.52 h70
  text "1" at -1429.5,-7824.52 h70
  text "3" at 4310.5,-7824.52 h70
  text "4" at 7180.5,-7824.52 h70